# Altium PCB paste_3.3.PcbDoc (part 1 of 3)
Units mm, origin at the board's own origin, x right, y up, seen from the top; angles counter-clockwise.
Board outline 154.05 x 173.86 mm, 2 copper layers (Top Layer, Bottom Layer); 242 components, 0 nets, 1192 pads, 810 vias.
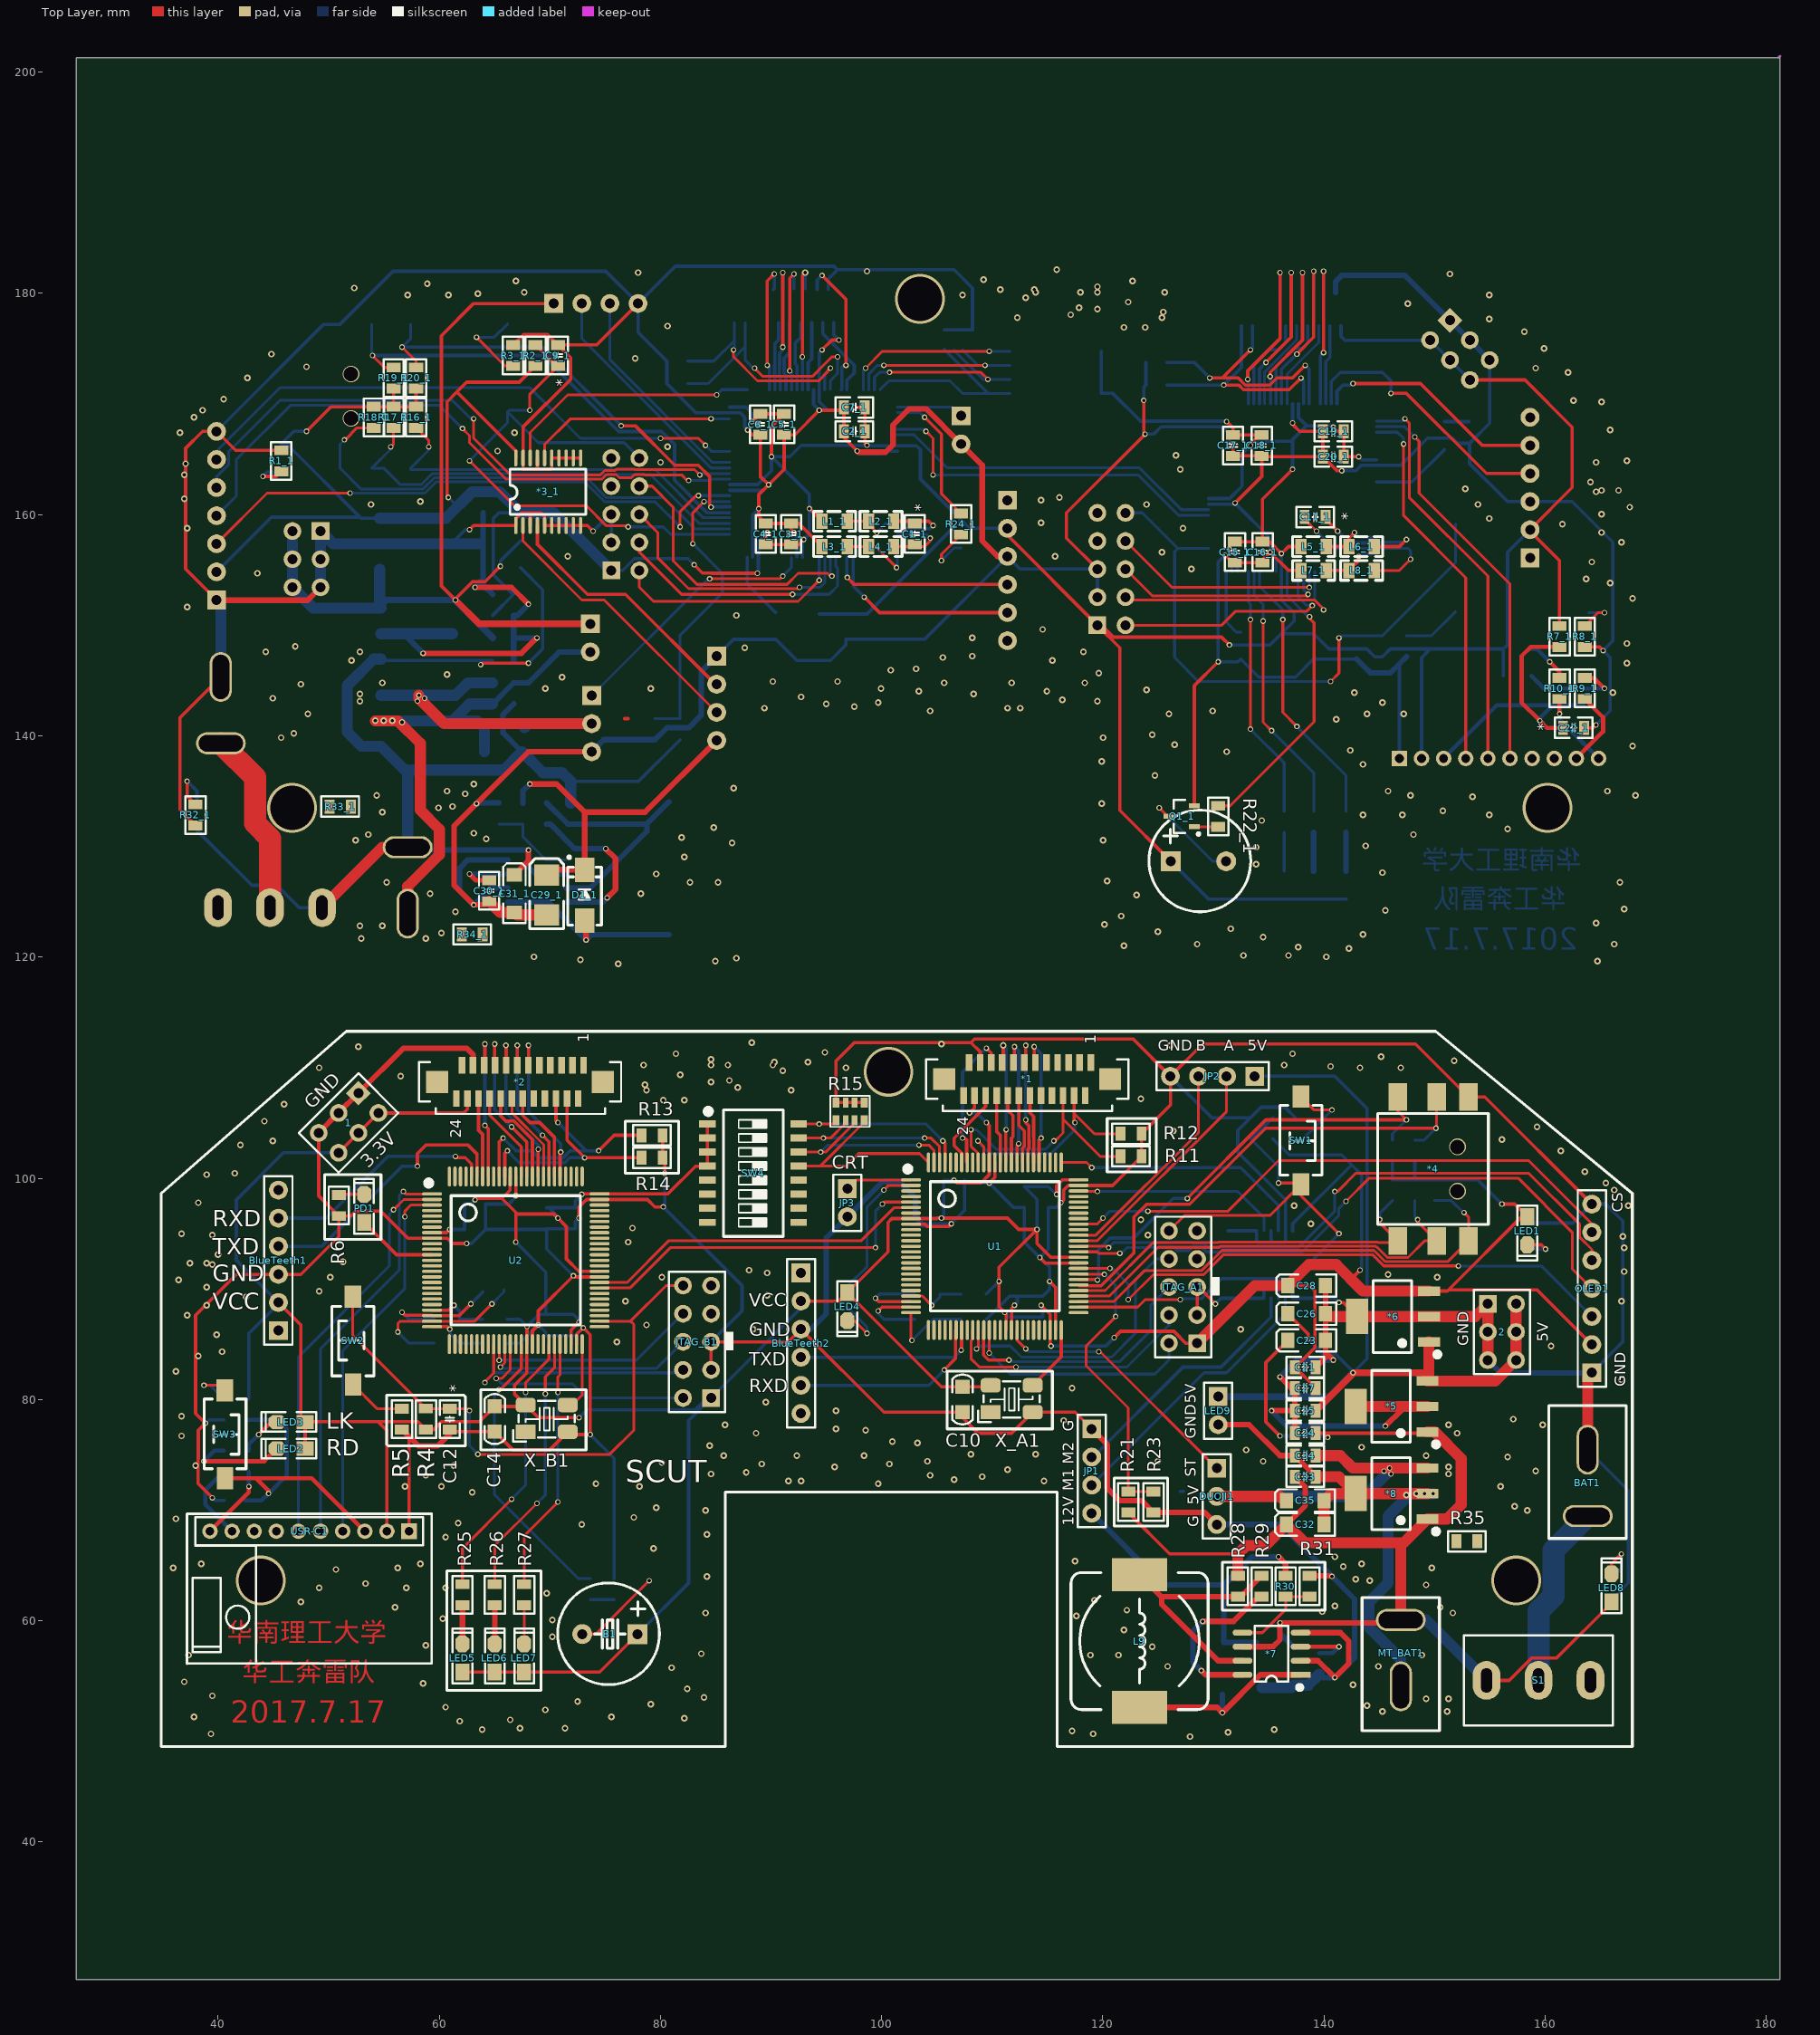
[diagram p0: Top Layer view]
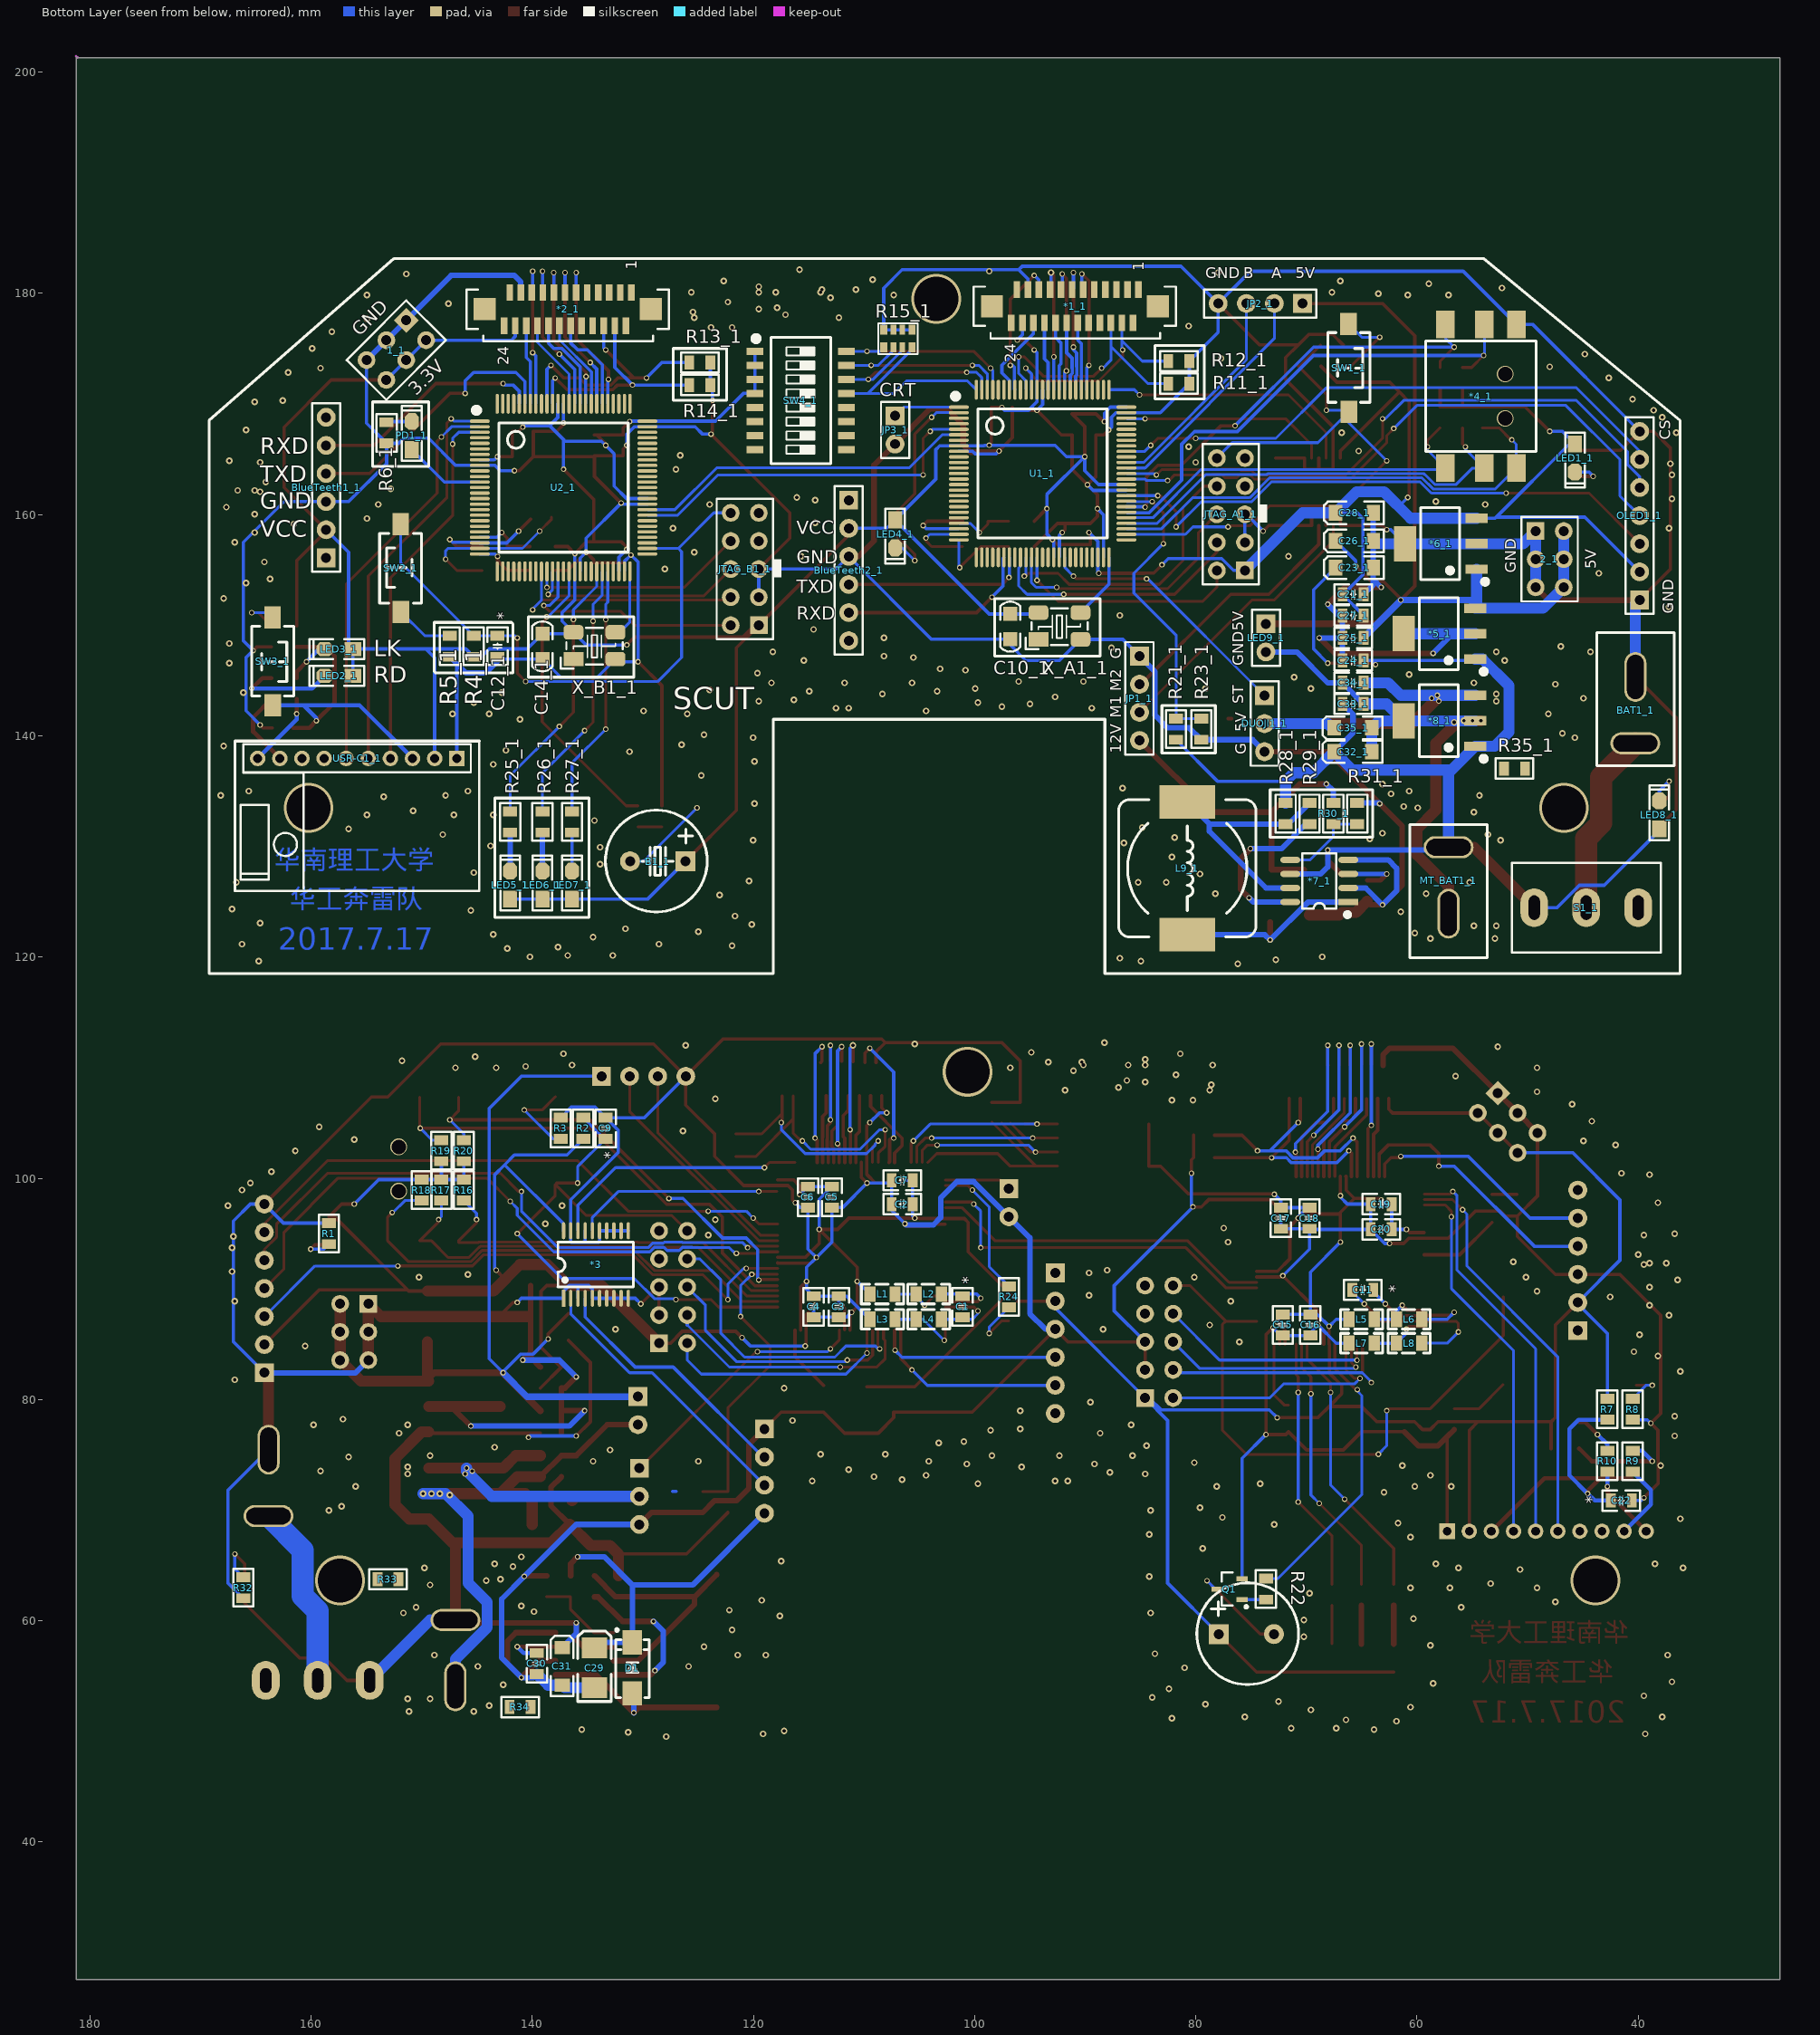
[diagram p1: Bottom Layer view, seen from below]

## Layer stack, top to bottom
Top Solder: solder mask 0.0102, Solder Resist, Dk 3.5
Top Layer: signal copper 0.0356
Dielectric 1: dielectric 0.32, FR-4, Dk 4.8
Bottom Layer: signal copper 0.0356
Bottom Solder: solder mask 0.0102, Solder Resist, Dk 3.5

## Board outline
27.178,27.559 181.229,27.559 181.229,201.422 181.102,201.295 27.178,201.295

## Design rules (kind name [scope] priority, off if disabled: settings)
Clearance [All] p1: gap=0.12
PolygonConnect [All] p1: connectstyle=Relief reliefconductorwidth=0.254 reliefentries=4 polygonreliefangle="90 Angle" airgapwidth=0.254
RoutingVias [All] p1: holewidth=0.711 width=1.27 viastyle="Through Hole" minholewidth=0.711 minwidth=1.27 maxholewidth=0.711 maxwidth=1.27
SolderMaskExpansion [All] p1: expansion=0.102
Width [All] p1: maxlimit=2 minlimit=0.254 preferedwidth=0.254 minimp=50.000000 maximp=50.000000 favimp=50.000000
30 further rules are at their usual default settings.

## Components (designator, comment, footprint, x,y, rotation, side; value= is the part's Value field where it differs from the comment)
1 "Header3X2" HDR-3X2 52.705,107.696 r225 top
1_1 "Header3X2" HDR-3X2 151.384,177.546 r315 bottom (schematic designator 1)
2 "Header3X2" HDR-3X2 154.813,88.646 r270 top
2_1 "Header3X2" HDR-3X2 49.276,158.496 r270 bottom (schematic designator 2)
*1 "FPC24P" FH12-24S-0.5SV 113.157,108.966 r180 top
*1_1 "FPC24P" FH12-24S-0.5SV 90.932,178.816 r0 bottom (schematic designator *1)
*2 "FPC24P" FH12-24S-0.5SV 67.31,108.712 r180 top
*2_1 "FPC24P" FH12-24S-0.5SV 136.779,178.562 r0 bottom (schematic designator *2)
*3 "74LVC245" TSSOP-20 137.16,89.154 r90 bottom
*3_1 "74LVC245" TSSOP-20 66.929,159.004 r90 top (schematic designator *3)
*4 "大五向开关" 五向 149.86,100.838 r90 top
*4_1 "大五向开关" 五向 54.229,170.688 r90 bottom (schematic designator *4)
*5 "LM2940" SOT223_N 146.05,79.375 r90 top
*5_1 "LM2940" SOT223_N 58.039,149.225 r90 bottom (schematic designator *5)
*6 "LM2937" SOT223_N 146.177,87.503 r90 top
*6_1 "LM2937" SOT223_N 57.912,157.353 r90 bottom (schematic designator *6)
*7 "MC34063" SOP8_N 135.255,57.023 r180 top
*7_1 "MC34063" SOP8_N 68.834,126.873 r0 bottom (schematic designator *7)
*8 "LM2940" SOT223_N 146.05,71.501 r90 top
*8_1 "LM2940" SOT223_N 58.039,141.351 r90 bottom (schematic designator *8)
B1 "DC5V" "BEEP 5x9x5.5" 75.438,58.801 r90 top
B1_1 "DC5V" "BEEP 5x9x5.5" 128.651,128.651 r90 bottom (schematic designator B1)
BAT1 "Header 2" "SW - duplicate" 163.83,69.469 r90 top
BAT1_1 "Header 2" "SW - duplicate" 40.259,139.319 r90 bottom (schematic designator BAT1)
BlueTeeth1 "HDR-1X6" HDR2.54-LI-6P 45.466,92.583 r90 top
BlueTeeth1_1 "HDR-1X6" HDR2.54-LI-6P 158.623,162.433 r90 bottom (schematic designator BlueTeeth1)
BlueTeeth2 "HDR-1X6" HDR2.54-LI-6P 92.71,85.09 r270 top
BlueTeeth2_1 "HDR-1X6" HDR2.54-LI-6P 111.379,154.94 r270 bottom (schematic designator BlueTeeth2)
C1 "105" "C 0805_L" 101.092,88.392 r90 bottom
C1_1 "105" "C 0805_L" 102.997,158.242 r90 top (schematic designator C1)
C2 "104" "C 0805_L" 106.553,97.663 r180 bottom
C2_1 "104" "C 0805_L" 97.536,167.513 r0 top (schematic designator C2)
C3 "104" "C 0805_L" 112.268,88.392 r270 bottom
C3_1 "104" "C 0805_L" 91.821,158.242 r270 top (schematic designator C3)
C4 "104" "C 0805_L" 114.554,88.392 r270 bottom
C4_1 "104" "C 0805_L" 89.535,158.242 r270 top (schematic designator C4)
C5 "104" "C 0805_L" 112.903,98.298 r90 bottom
C5_1 "104" "C 0805_L" 91.186,168.148 r90 top (schematic designator C5)
C6 "104" "C 0805_L" 115.062,98.298 r90 bottom
C6_1 "104" "C 0805_L" 89.027,168.148 r90 top (schematic designator C6)
C7 "104" "C 0805_L" 106.553,99.822 r180 bottom
C7_1 "104" "C 0805_L" 97.536,169.672 r0 top (schematic designator C7)
C9 "105" "C 0805_L" 133.35,104.521 r270 bottom
C9_1 "105" "C 0805_L" 70.739,174.371 r270 top (schematic designator C9)
C10 "104" "C 0805" 107.315,80.01 r90 top
C10_1 "104" "C 0805" 96.774,149.86 r90 bottom (schematic designator C10)
C11 "105" "C 0805_L" 64.897,89.916 r180 bottom
C11_1 "105" "C 0805_L" 139.192,159.766 r0 top (schematic designator C11)
C12 "105" "C 0805_L" 60.96,78.232 r90 top
C12_1 "105" "C 0805_L" 143.129,148.082 r90 bottom (schematic designator C12)
C14 "104" "C 0805" 65.024,78.232 r90 top
C14_1 "104" "C 0805" 139.065,148.082 r90 bottom (schematic designator C14)
C15 "104" "C 0805_L" 72.136,86.741 r90 bottom
C15_1 "104" "C 0805_L" 131.953,156.591 r90 top (schematic designator C15)
C16 "104" "C 0805_L" 69.647,86.741 r90 bottom
C16_1 "104" "C 0805_L" 134.442,156.591 r90 top (schematic designator C16)
C17 "104" "C 0805_L" 72.314,96.393 r90 bottom
C17_1 "104" "C 0805_L" 131.775,166.243 r90 top (schematic designator C17)
C18 "104" "C 0805_L" 69.723,96.393 r90 bottom
C18_1 "104" "C 0805_L" 134.366,166.243 r90 top (schematic designator C18)
C19 "104" "C 0805_L" 63.246,97.663 r180 bottom
C19_1 "104" "C 0805_L" 140.843,167.513 r0 top (schematic designator C19)
C20 "104" "C 0805_L" 63.246,95.377 r180 bottom
C20_1 "104" "C 0805_L" 140.843,165.227 r0 top (schematic designator C20)
C21 "105" "C 0805_L" 138.303,82.931 r180 top
C21_1 "105" "C 0805_L" 65.786,152.781 r0 bottom (schematic designator C21)
C22 "105" "C 0805_L" 41.529,70.866 r0 bottom
C22_1 "105" "C 0805_L" 162.56,140.716 r180 top (schematic designator C22)
C23 "Cap2" "CD A(3216)" 138.43,85.344 r0 top
C23_1 "Cap2" "CD A(3216)" 65.659,155.194 r180 bottom (schematic designator C23)
C24 "104" "C 0805_L" 138.303,76.962 r0 top
C24_1 "104" "C 0805_L" 65.786,146.812 r180 bottom (schematic designator C24)
C25 "104" "C 0805_L" 138.303,78.994 r0 top
C25_1 "104" "C 0805_L" 65.786,148.844 r180 bottom (schematic designator C25)
C26 "Cap2" "CD A(3216)" 138.43,87.757 r0 top
C26_1 "Cap2" "CD A(3216)" 65.659,157.607 r180 bottom (schematic designator C26)
C27 "104" "C 0805_L" 138.303,81.026 r0 top
C27_1 "104" "C 0805_L" 65.786,150.876 r180 bottom (schematic designator C27)
C28 "Cap2" "CD A(3216)" 138.43,90.297 r0 top
C28_1 "Cap2" "CD A(3216)" 65.659,160.147 r180 bottom (schematic designator C28)
C29 "Cap Pol1" "CD B(3528)" 134.366,55.753 r270 bottom
C29_1 "Cap Pol1" "CD B(3528)" 69.723,125.603 r270 top (schematic designator C29)
C30 "Cap" "C 0805_L" 139.573,56.134 r270 bottom
C30_1 "Cap" "C 0805_L" 64.516,125.984 r270 top (schematic designator C30)
C31 "Cap Pol1" "CD A(3216)" 137.287,55.88 r270 bottom
C31_1 "Cap Pol1" "CD A(3216)" 66.802,125.73 r270 top (schematic designator C31)
C32 "Cap2" "CD A(3216)" 138.303,68.707 r0 top
C32_1 "Cap2" "CD A(3216)" 65.786,138.557 r180 bottom (schematic designator C32)
C33 "104" "C 0805_L" 138.303,73.025 r180 top
C33_1 "104" "C 0805_L" 65.786,142.875 r0 bottom (schematic designator C33)
C34 "104" "C 0805_L" 138.303,74.93 r0 top
C34_1 "104" "C 0805_L" 65.786,144.78 r180 bottom (schematic designator C34)
C35 "Cap2" "CD A(3216)" 138.303,70.866 r0 top
C35_1 "Cap2" "CD A(3216)" 65.786,140.716 r180 bottom (schematic designator C35)
D1 "IN5819" SMA 130.937,55.739 r90 bottom
D1_1 "IN5819" SMA 73.152,125.589 r90 top (schematic designator D1)
DUOJI1 "HDR-1X3" HDR2.54-LI-3P 130.302,71.247 r270 top
DUOJI1_1 "HDR-1X3" HDR2.54-LI-3P 73.787,141.097 r270 bottom (schematic designator DUOJI1)
JP1 "HDR-1X4" HDR2.54-LI-4P 118.999,73.533 r270 top
JP1_1 "HDR-1X4" HDR2.54-LI-4P 85.09,143.383 r270 bottom (schematic designator JP1)
JP2 "HDR-1X4" HDR2.54-LI-4P 129.921,109.22 r180 top
JP2_1 "HDR-1X4" HDR2.54-LI-4P 74.168,179.07 r0 bottom (schematic designator JP2)
JP3 "HDR-1X2" HDR2.54-LI-2P 96.901,97.79 r270 top
JP3_1 "HDR-1X2" HDR2.54-LI-2P 107.188,167.64 r270 bottom (schematic designator JP3)
JTAG_A1 "Header 5X2" HDR-5X2 128.524,85.09 r90 top
JTAG_A1_1 "Header 5X2" HDR-5X2 75.565,154.94 r90 bottom (schematic designator JTAG_A1)
JTAG_B1 "Header 5X2" HDR-5X2 84.582,80.137 r90 top
JTAG_B1_1 "Header 5X2" HDR-5X2 119.507,149.987 r90 bottom (schematic designator JTAG_B1)
L1 "4.8nH" "L 0805" 108.331,89.535 r180 bottom
L1_1 "4.8nH" "L 0805" 95.758,159.385 r0 top (schematic designator L1)
L2 "4.8nH" "L 0805" 104.14,89.535 r180 bottom
L2_1 "4.8nH" "L 0805" 99.949,159.385 r0 top (schematic designator L2)
L3 "4.8nH" "L 0805" 108.331,87.249 r180 bottom
L3_1 "4.8nH" "L 0805" 95.758,157.099 r0 top (schematic designator L3)
L4 "4.8nH" "L 0805" 104.14,87.249 r180 bottom
L4_1 "4.8nH" "L 0805" 99.949,157.099 r0 top (schematic designator L4)
L5 "4.8nH" "L 0805" 65.024,87.249 r180 bottom
L5_1 "4.8nH" "L 0805" 139.065,157.099 r0 top (schematic designator L5)
L6 "4.8nH" "L 0805" 60.706,87.249 r180 bottom
L6_1 "4.8nH" "L 0805" 143.383,157.099 r0 top (schematic designator L6)
L7 "4.8nH" "L 0805" 65.024,85.09 r180 bottom
L7_1 "4.8nH" "L 0805" 139.065,154.94 r0 top (schematic designator L7)
L8 "4.8nH" "L 0805" 60.706,85.09 r180 bottom
L8_1 "4.8nH" "L 0805" 143.383,154.94 r0 top (schematic designator L8)
L9 "Inductor" CDRH124 123.317,58.166 r270 top
L9_1 "Inductor" CDRH124 80.772,128.016 r270 bottom (schematic designator L9)
LED1 "红色" "LED 0805B" 158.369,95.25 r270 top
LED1_1 "红色" "LED 0805B" 45.72,165.1 r270 bottom (schematic designator LED1)
LED2 "红色" "LED 0805B" 46.609,75.565 r180 top
LED2_1 "红色" "LED 0805B" 157.48,145.415 r0 bottom (schematic designator LED2)
LED3 "红色" "LED 0805B" 46.609,77.978 r180 top
LED3_1 "红色" "LED 0805B" 157.48,147.828 r0 bottom (schematic designator LED3)
LED4 "红色" "LED 0805B" 96.901,88.392 r270 top
LED4_1 "红色" "LED 0805B" 107.188,158.242 r270 bottom (schematic designator LED4)
LED5 "红色" "LED 0805B" 62.103,56.642 r90 top
LED5_1 "红色" "LED 0805B" 141.986,126.492 r90 bottom (schematic designator LED5)
LED6 "红色" "LED 0805B" 65.024,56.642 r90 top
LED6_1 "红色" "LED 0805B" 139.065,126.492 r90 bottom (schematic designator LED6)
LED7 "红色" "LED 0805B" 67.691,56.642 r90 top
LED7_1 "红色" "LED 0805B" 136.398,126.492 r90 bottom (schematic designator LED7)
LED8 "红色" "LED 0805R" 165.989,62.992 r90 top
LED8_1 "红色" "LED 0805R" 38.1,132.842 r90 bottom (schematic designator LED8)
LED9 "HDR-1X2" HDR-1X2 130.429,80.264 r270 top
LED9_1 "HDR-1X2" HDR-1X2 73.66,150.114 r270 bottom (schematic designator LED9)
MT_BAT1 "Header 2" "SW - duplicate" 146.939,60.071 r270 top
MT_BAT1_1 "Header 2" "SW - duplicate" 57.15,129.921 r270 bottom (schematic designator MT_BAT1)
OLED1 "OLED 1.3-12864_7pin" HDR2.54-M-LI-7P 164.211,90.043 r90 top
OLED1_1 "OLED 1.3-12864_7pin" HDR2.54-M-LI-7P 39.878,159.893 r90 bottom (schematic designator OLED1)
PD1 "LED" "LED 0805R" 53.213,97.282 r90 top
PD1_1 "LED" "LED 0805R" 150.876,167.132 r90 bottom (schematic designator PD1)
Q1 "SS8050" SOT23-3L 76.962,62.865 r90 bottom
Q1_1 "SS8050" SOT23-3L 127.127,132.715 r90 top (schematic designator Q1)
R1 "1K" "R 0805_L" 158.369,94.996 r90 bottom
R1_1 "1K" "R 0805_L" 45.72,164.846 r90 top (schematic designator R1)
R2 "4.7K" "R 0805_L" 135.382,104.521 r270 bottom
R2_1 "4.7K" "R 0805_L" 68.707,174.371 r270 top (schematic designator R2)
R3 "100R" "R 0805_L" 137.414,104.521 r270 bottom
R3_1 "100R" "R 0805_L" 66.675,174.371 r270 top (schematic designator R3)
R4 "4.7K" "R 0805_L" 58.801,78.232 r270 top
R4_1 "4.7K" "R 0805_L" 145.288,148.082 r270 bottom (schematic designator R4)
R5 "100R" "R 0805_L" 56.642,78.232 r90 top